# Altium PCB EEGV3.0.PcbDoc (part 2 of 2)
Units mm, origin at the board's own origin, x right, y up, seen from the top; angles counter-clockwise.
Board outline 93 x 76.97 mm, 2 copper layers (Top Layer, Bottom Layer); 182 components, 138 nets, 724 pads, 593 vias.
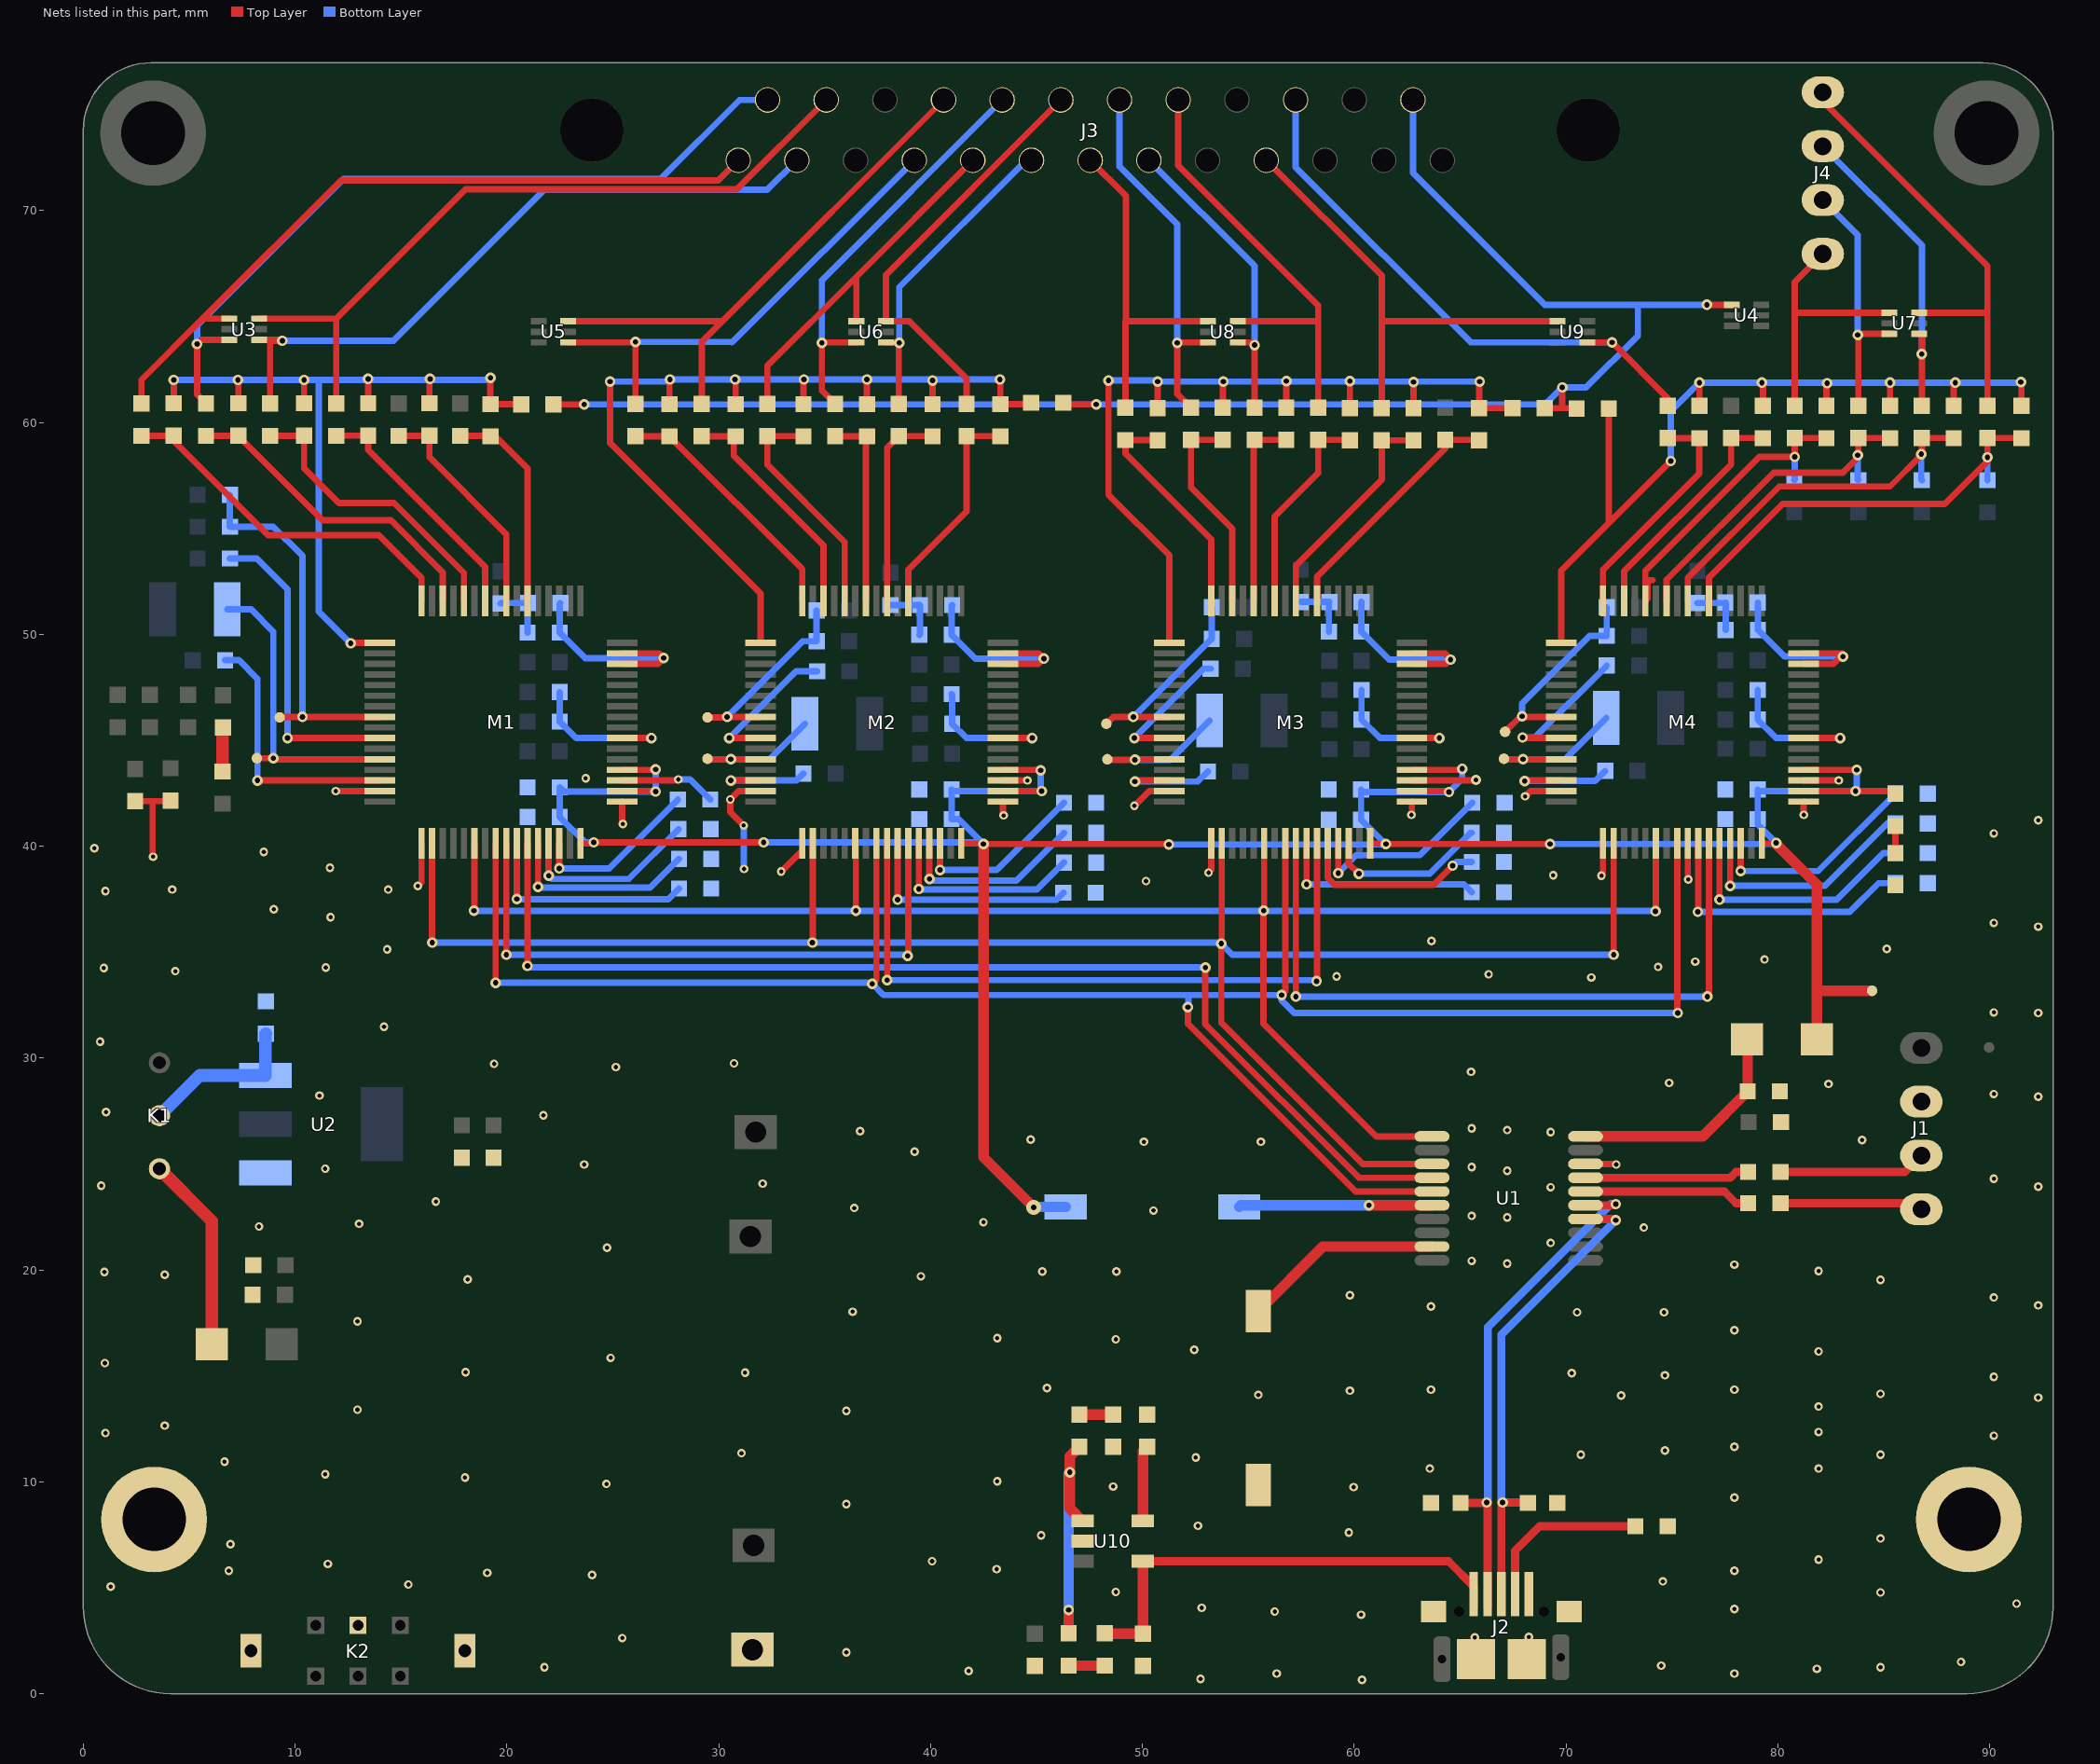
[diagram p2: the nets of this part, all layers, seen from the top]

## Via types
v1: diameter 0.406, hole 0.203, Top Layer to Bottom Layer, tented both sides, 401 vias
v2: diameter 0.5, hole 0.254, Top Layer to Bottom Layer, tented both sides, 186 vias
v3: diameter 0.7, hole 0.254, Top Layer to Bottom Layer, tented both sides, 5 vias
v4: diameter 0.5, hole 0.203, Top Layer to Bottom Layer, tented both sides, 1 vias

## Nets (pads, with @x,y where several pads share a name; then routed paths per layer and width w, separated by ;. In a path a pad name is that pad's centre, name@x,y a point inside that pad or via, vN(x,y) a via of type N, cw(c..) or ccw(c..) an arc to the next point about the centre after c; other vN are vias at no path point) (continued)
DGND: BT2.2 C2.2 C3.2 C4.2 C5.2 C21.1 C24.2 C25.1 C26.2 C27.1 C28.1 C29.2 C35.2 C36.2 C37.2 C38.2 C69.2 C70.2 C85.2 C86.2 D1.2 D2.1 D4.1 D5.2 J1.3 J2.5 J2.6 J2.7 J2.8 J2.9 K2.5 K2.7 K2.8 K4.2 M1.31 M1.33 M1.49 M1.51 M2.31 M2.33 M2.49 M2.51 M3.31 M3.33 M3.49 M3.51 M4.31 M4.33 M4.41 M4.49 M4.51 pad.0@3.35,8.225 pad.0@89.025,8.225 R16.2 R17.2 R18.2 R19.2 R20.2 R21.1 R24.2 R25.2 R28.2 R29.2 R31.2 R32.2 R34.2 R48.2 R49.2 R51.2 R52.2 R59.1 U1.18 U2.1 U10.2 | length 42.2
  Top Layer w0.3: C27.1@2.35,42.025 C27.1@2.45,42.125 3.275,42.125 ; v1(3.3,39.5) 3.275,39.525 3.275,42.125 ; C25.1@4.125,42.151 4.099,42.125 3.275,42.125 ; v1(11.925,42.6) M1.31@14,42.6 ; v1(15.8,38.125) 15.975,38.3 M1.33@15.975,40.125 ; M1.49@25.45,42.1 25.45,41.075 v1(25.475,41.05) ; M1.51@25.45,43.1 28.05,43.1 v1(28.1,43.15) ; v1(31.182,40.975) 30.55,41.607 v1(30.55,42.2) 30.95,42.6 M2.31@31.975,42.6 ; v1(32.95,38.8) 33.95,39.8 M2.33@33.95,40.125 ; M2.49@43.425,42.1 43.425,41.475 v1(43.45,41.45) ; M2.51@43.425,43.1 v1(44.575,43.1) ; v1(49.625,41.9) 50.325,42.6 M3.31@51.275,42.6 ; v1(53.125,38.75) 53.25,38.875 M3.33@53.25,40.125 ; v1(62.7,41.475) 62.725,41.5 M3.49@62.725,42.1 ; M3.51@62.725,43.1 65.675,43.1 65.7,43.075 v4(65.75,43.125) ; v1(65.7,2.65) 65.756,2.594 J2.8@65.756,1.625 J2.8@65.756,1 ; v1(68.075,42.35) 68.325,42.6 M4.31@69.775,42.6 ; J2.9@68.143,1 J2.9@68.143,1.625 68.143,2.568 v1(68.25,2.675) ; U1.18@70.925,25 72.35,25 v1(72.375,24.975) ; v1(71.675,38.6) 71.75,38.675 M4.33@71.75,40.125 ; M4.41@75.75,40.125 75.75,38.45 v1(75.775,38.425) ; v1(81.225,41.475) M4.49@81.225,42.1 ; M4.51@81.225,43.1 v1(82.875,43.1)
  Bottom Layer w0.3: v1(28.1,43.15) 28.649,43.15 R16.2@29.599,42.2 ; v1(31.182,40.975) 31.182,38.943 v1(31.2,38.925)
  other v1: 60.375,0.65 52.75,0.7 56.35,0.95 77.95,0.95 41.8,1.075 81.85,1.175 21.775,1.25 84.85,1.25 74.5,1.325 88.65,1.5 36.025,1.95 25.45,2.625 60.325,3.725 56.25,3.875 77.95,4 52.8,4.05 91.275,4.25 84.85,4.775 48.75,4.8 1.3,5.05 15.35,5.15 74.575,5.3 24.025,5.6 19.075,5.7 6.875,5.8 77.95,5.8 43.125,5.875 11.55,6.125 40.075,6.25 81.925,6.325 6.95,7.05 84.85,7.325 45.225,7.475 59.75,7.6 52.625,7.925 36.025,8.95 77.95,9.25 59.975,9.75 48.625,9.775 24.7,9.9 43.15,10.025 18.025,10.2 11.425,10.35 63.575,10.625 81.925,10.625 6.675,10.95 52.525,11.15 70.7,11.275 84.85,11.275 31.075,11.35 74.675,11.475 77.95,11.65 90.2,12.175 1.05,12.3 81.925,12.35 3.85,12.65 36.025,13.35 12.95,13.4 81.925,13.55 92.3,13.975 55.475,14.1 72.6,14.075 84.85,14.15 59.8,14.3 63.625,14.35 77.95,14.35 45.5,14.425 90.2,14.95 74.675,15.025 70.275,15.125 31.25,15.15 18.05,15.175 1.025,15.6 24.9,15.85 81.925,16.15 52.45,16.225 48.75,16.725 43.15,16.775 77.95,17.15 12.95,17.575 70.525,18 74.625,18 36.325,18.025 63.625,18.275 92.3,18.325 90.2,18.7 59.8,18.8 84.85,19.525 18.15,19.55 39.55,19.7 3.85,19.775 1,19.9 45.275,19.925 48.775,19.925 81.925,19.95 77.95,20.25 67.225,20.3 65.55,20.425 24.725,21.05 69.275,21.275 73.675,22 8.3,22.05 13.025,22.175 42.5,22.25 67.225,22.475 65.55,22.55 50.525,22.8 36.4,22.925 16.65,23.225 69.275,23.9 92.3,23.925 0.85,23.975 32.075,24.075 90.2,24.3 67.225,24.675 11.425,24.775 65.55,24.85 23.65,24.975 39.25,25.575 50.075,26.05 55.6,26.05 83.975,26.125 44.725,26.15 69.275,26.5 36.675,26.55 67.225,26.6 65.55,26.675 21.725,27.3 1.075,27.45 92.3,28.175 11.15,28.225 90.2,28.3 82.4,28.775 74.875,28.825 65.525,29.35 25.15,29.575 19.4,29.725 30.725,29.75 0.8,30.775 14.2,31.475 92.3,32.125 90.2,32.15 71.2,33.8 59.175,33.85 66.35,33.95 4.35,34.1 0.975,34.25 11.45,34.275 74.35,34.3 76.1,34.55 79.375,34.65 14.35,35.125 85.15,35.15 63.65,35.525 92.3,36.2 90.2,36.375 11.675,36.65 9,37.025 1.05,37.875 4.2,37.95 14.4,37.95 50.175,38.35 69.4,38.625 11.65,38.975 8.525,39.725 0.525,39.9 90.2,40.6 92.3,41.225 23.725,43.2
DIN: M1.34 M2.34 M3.34 M4.34 U1.3 | length 91.8
  Top Layer w0.3: v2(16.475,35.45) M1.34@16.475,40.125 ; v2(34.425,35.45) 34.45,35.475 M2.34@34.45,40.125 ; M3.34@53.75,40.125 53.75,35.425 v2(53.725,35.4) 53.725,31.675 60.4,25 U1.3@63.675,25 ; v2(72.25,34.875) M4.34@72.25,40.125
  Bottom Layer w0.3: v2(16.475,35.45) v2(34.425,35.45) 53.675,35.45 v2(53.725,35.4) 54.25,34.875 v2(72.25,34.875)
DM: D2.2 J2.2 U1.15 | length 24.4
  Top Layer w0.381: D2.2@65.023,9 66.231,9 v2(66.256,9.025) 66.3,8.98 J2.2@66.3,4.7 J2.2@66.3,4.075 ; U1.15@70.925,23.05 71.941,23.05 71.948,23.043 72.291,23.043 v2(72.35,23.102)
  Bottom Layer w0.381: v2(66.256,9.025) 66.265,9.025 66.315,9.075 66.315,17.295 72.122,23.102 v2(72.35,23.102)
DOUT_1: M1.43 U1.4 | length 54.2
  Top Layer w0.3: v2(20.975,34.35) M1.43@20.975,40.125 ; v2(52.975,34.275) 52.975,31.6 60.225,24.35 U1.4@63.675,24.35
  Bottom Layer w0.3: v2(20.975,34.35) 21.05,34.275 v2(52.975,34.275)
DOUT_2: M1.41 M2.43 | length 29.5
  Top Layer w0.3: v2(19.975,34.875) M1.41@19.975,40.125 ; v2(38.925,34.825) 38.95,34.85 M2.43@38.95,40.125
  Bottom Layer w0.3: v2(19.975,34.875) 38.875,34.875 v2(38.925,34.825)
DOUT_3: M2.41 M3.43 | length 33.3
  Top Layer w0.3: v2(37.95,33.675) M2.41@37.95,40.125 ; v2(58.225,33.625) 58.25,33.65 M3.43@58.25,40.125
  Bottom Layer w0.3: v2(37.95,33.675) 58.175,33.675 v2(58.225,33.625)
DOUT_4: M3.41 M4.43 | length 33.9
  Top Layer w0.3: v2(57.25,32.9) M3.41@57.25,40.125 ; v2(76.675,32.9) 76.75,32.975 M4.43@76.75,40.125
  Bottom Layer w0.3: v2(57.25,32.9) v2(76.675,32.9)
DP: D4.2 J2.3 U1.14 | length 23.2
  Top Layer w0.381: J2.3@66.95,4.075 J2.3@66.95,4.7 66.95,8.966 v2(67.01,9.025) 68.175,9.025 D4.2@68.2,9 ; U1.14@70.925,22.4 71.941,22.4 71.948,22.408 72.291,22.408 v2(72.35,22.348)
  Bottom Layer w0.381: v2(67.01,9.025) 67,9.025 66.95,9.075 66.95,16.948 v2(72.35,22.348)
DVCC: C2.1 C3.1 C35.1 C36.1 C37.1 C38.1 C69.1 C70.1 D10.2 K3.1 M1.48 M1.50 M1.52 M2.48 M2.50 M2.52 M3.48 M3.50 M3.52 M4.48 M4.50 M4.52 pad.3.3V R23.1 | length 144.1
  Top Layer w0.3: M1.48@23.475,40.125 24.05,40.125 v2(24.1,40.175) v2(32.125,40.175) ; M1.50@25.45,42.6 27,42.6 v2(27.025,42.575) ; M1.52@25.45,43.6 27,43.6 v2(27.025,43.625) ; M2.48@41.45,40.125 42.475,40.125 v2(42.5,40.1) 51.225,40.1 v2(51.25,40.075) ; M2.50@43.425,42.6 v2(45.25,42.6) ; M2.52@43.425,43.6 45.175,43.6 v2(45.2,43.575) ; M3.48@60.75,40.125 61.475,40.125 v2(61.5,40.1) v2(69.25,40.1) ; M3.50@62.725,42.6 64.43,42.6 v2(64.478,42.552) ; M3.52@62.725,43.6 65.05,43.6 v2(65.1,43.65) ; M4.48@79.25,40.125 v2@79.9,40.125 ; M4.50@81.225,42.6 v2(83.675,42.6) 85.426,42.6 R23.1@85.551,42.475 ; M4.52@81.225,43.6 v2(83.725,43.6)
  Top Layer w0.5: v2(42.5,40.1) 42.5,25.325 v3(44.875,22.95) ; v2@79.9,40.125 81.852,38.173 81.852,33.175 ; D10.2@81.852,30.875 81.852,33.175 ; pad.3.3V@84.45,33.175 81.852,33.175
  Bottom Layer w0.3: v2(24.1,40.175) 23.7,40.175 C2.1@22.5,41.375 C3.1@22.5,42.775 22.7,42.575 v2(27.025,42.575) v2(27.025,43.625) ; v2(32.125,40.175) v2@42.425,40.175 ; v2(42.5,40.1) v2@42.425,40.175 ; v2(45.2,43.575) 45.2,42.625 v2@45.225,42.6 ; v2(45.25,42.6) v2@45.225,42.6 ; v2(51.25,40.075) 61.475,40.075 v2(61.5,40.1) 61.475,40.1 C35.1@60.325,41.25 C37.1@60.325,42.675 60.448,42.552 v2(64.478,42.552) 65.1,43.174 v2(65.1,43.65) ; v2(69.25,40.1) 79.875,40.1 v2(79.925,40.15) 79.049,41.026 C36.1@79.049,41.275 C38.1@79.049,42.675 79.124,42.6 v2(83.675,42.6) 83.725,42.65 v2(83.725,43.6) ; v2@42.425,40.175 41.325,41.275 C70.1@41,41.275 C69.1@41,42.675 41.1,42.575 41.125,42.6 v2@45.225,42.6
  Bottom Layer w0.5: v3(44.875,22.95) 44.9,22.975 K3.1@46.375,22.975
ELEC1: J4.1 R39.1 U7.1 | length 12.2
  Top Layer w0.3: R39.1@80.8,60.788 80.8,65.175 ; J4.1@82.125,67.955 80.8,66.63 80.8,65.175 ; U7.1@85.275,65.175 80.8,65.175
ELEC2: J4.2 R37.1 U7.3 | length 11.9
  Top Layer w0.3: R37.1@83.8,60.788 83.8,64.1 v2(83.775,64.125) 83.825,64.175 U7.3@85.275,64.175
  Bottom Layer w0.3: J4.2@82.125,70.495 83.775,68.845 v2(83.775,64.125)
ELEC3: J4.3 R35.1 U7.4 | length 15.2
  Top Layer w0.3: U7.4@86.675,64.175 86.8,64.05 v2(86.8,63.225) R35.1@86.8,60.788
  Bottom Layer w0.3: J4.3@82.125,73.035 86.8,68.36 v2(86.8,63.225)
ELEC4: J4.4 R30.1 U7.6 | length 21.3
  Top Layer w0.3: J4.4@82.125,75.575 82.125,75.15 89.9,67.375 89.9,65.225 ; U7.6@86.675,65.175 89.85,65.175 89.9,65.225 ; R30.1@89.9,60.788 89.9,65.225
F3: J3.2 R8.1 U3.4 | length 32.5
  Top Layer w0.3: U3.4@8.3,63.9 9.35,63.9 v2(9.4,63.85) 8.8,63.85 8.825,63.825 R8.1@8.825,60.887
  Bottom Layer w0.3: v2(9.4,63.85) 14.65,63.85 21.775,70.975 32.29,70.975 J3.2@33.69,72.375
F4: J3.15 R6.1 U3.6 | length 35.1
  Top Layer w0.3: U3.6@8.3,64.9 11.95,64.9 ; R6.1@11.95,60.887 11.95,64.9 ; J3.15@35.075,75.215 30.86,71 18.05,71 11.95,64.9
F7: J3.6 R53.1 U6.4 | length 14.8
  Top Layer w0.3: U6.4@37.9,63.775 38.475,63.775 38.5,63.75 R53.1@38.5,60.875
  Bottom Layer w0.3: v2(38.525,63.75) 38.525,66.375 44.525,72.375 J3.6@44.77,72.375
F8: J3.19 R50.1 U6.6 | length 20
  Top Layer w0.3: R50.1@41.7,60.875 41.7,62.075 39,64.775 U6.6@37.9,64.775 37.9,66.96 J3.19@46.155,75.215
FP1: J3.1 R10.1 U3.1 | length 34.8
  Top Layer w0.3: R10.1@2.75,60.887 2.75,62 5.65,64.9 ; U3.1@6.9,64.9 5.65,64.9 ; J3.1@30.92,72.375 29.97,71.425 12.175,71.425 5.65,64.9
FP2: J3.14 R9.1 U3.3 | length 36.8
  Top Layer w0.3: R9.1@5.8,60.887 5.375,61.312 v2(5.375,63.7) 5.575,63.9 U3.3@6.9,63.9
  Bottom Layer w0.3: v2(5.375,63.7) 5.375,64.575 12.3,71.5 27.275,71.5 30.99,75.215 J3.14@32.305,75.215
FZ: J3.10 R33.1 U9.1 | length 22.3
  Top Layer w0.3: J3.10@55.85,72.375 61.3,66.925 61.3,64.775 ; R33.1@61.3,60.675 61.3,64.775 ; U9.1@69.6,64.775 61.3,64.775
NetC4_1: C4.1 D10.1 U1.20 | length 11
  Top Layer w0.5: U1.20@70.925,26.3 76.451,26.3 C4.1@78.576,28.425 78.576,30.849 D10.1@78.55,30.875
NetC6_1: C6.1 M1.16 R10.2 | length 17.2
  Top Layer w0.3: R10.2@2.75,59.363 4.262,59.363 C6.1@4.275,59.376 4.275,59.125 8.725,54.675 13.95,54.675 15.975,52.65 M1.16@15.975,51.575
NetC6_2: C6.2 C7.2 C10.2 C11.2 C12.2 C13.2 M1.17 R11.2 | length 37.7
  Top Layer w0.3: C6.2@4.275,60.9 v2(4.275,62) ; v2(7.3,62) 7.325,61.975 C7.2@7.325,60.9 ; C11.2@10.425,60.9 v2(10.425,62) ; v2(12.625,49.575) 12.65,49.6 M1.17@14,49.6 ; C12.2@13.45,60.9 v2(13.45,62.05) ; C13.2@16.35,60.9 16.35,62.025 v2(16.375,62.05) ; v2(19.225,62.1) C10.2@19.225,60.862 20.663,60.862 R11.2@20.675,60.85
  Bottom Layer w0.3: v2(4.275,62) 11.125,62 ; v2(12.625,49.575) 11.125,51.075 11.125,62 ; v2(19.225,62.1) 19.125,62 11.125,62
NetC7_1: C7.1 M1.14 R9.2 | length 15.2
  Top Layer w0.3: R9.2@5.8,59.363 7.312,59.363 11.3,55.375 14.525,55.375 16.975,52.925 M1.14@16.975,51.575 ; C7.1@7.312,59.363 C7.1@7.325,59.376
NetC8_1: C8.1 M4.62 M4.63 R1.2 | length 9.7
  Top Layer w0.3: M4.62@81.225,48.6 82.625,48.6 83.075,49.05 83.025,49.1 M4.63@81.225,49.1
  Bottom Layer w0.3: C8.1@79.049,51.5 79.062,51.487 R1.2@79.062,50.2 80.312,48.95 v2(83.075,48.95)
NetC8_2: C8.2 R1.1 R12.2 | length 2.6
  Bottom Layer w0.3: R12.2@76.2,51.476 77.526,51.476 77.538,51.487 R1.1@77.538,50.2
NetC9_1: C9.1 M3.62 M3.63 R2.2 | length 10
  Top Layer w0.3: M3.62@62.725,48.6 64.35,48.6 64.562,48.812 64.275,49.1 M3.63@62.725,49.1
  Bottom Layer w0.3: C9.1@60.349,51.525 60.336,51.512 R2.2@60.336,50.125 61.661,48.8 v2(64.55,48.8)
NetC9_2: C9.2 R2.1 R13.2 | length 2.8
  Bottom Layer w0.3: R13.2@57.475,51.526 57.476,51.525 C9.2@58.825,51.525 58.812,51.512 R2.1@58.812,50.125
NetC10_1: C10.1 M1.6 R3.2 | length 10.1
  Top Layer w0.3: R3.2@17.8,59.363 19.2,59.363 C10.1@19.225,59.338 19.462,59.338 20.975,57.825 M1.6@20.975,51.575
NetC11_1: C11.1 M1.12 R8.2 | length 14.1
  Top Layer w0.3: R8.2@8.825,59.363 10.412,59.363 C11.1@10.425,59.376 10.425,57.85 12.075,56.2 14.675,56.2 17.975,52.9 M1.12@17.975,51.575
NetC12_1: C12.1 M1.10 R6.2 | length 11.6
  Top Layer w0.3: R6.2@11.95,59.363 11.963,59.376 C12.1@13.45,59.376 13.45,58.7 18.975,53.175 M1.10@18.975,51.575
NetC13_1: C13.1 M1.8 R4.2 | length 10.8
  Top Layer w0.3: R4.2@14.9,59.363 16.337,59.363 C13.1@16.35,59.376 16.35,58.35 19.975,54.725 M1.8@19.975,51.575
NetC14_1: C14.1 M1.26 | length 14.7
  Top Layer w0.3: v2(9.65,45.1) M1.26@14,45.1
  Bottom Layer w0.3: C14.1@6.924,53.575 8.2,53.575 9.65,52.125 v2(9.65,45.1)
NetC15_1: C15.1 M1.28 pad.>1.1V@8.2,44.15 | length 14.4
  Top Layer w0.3: pad.>1.1V@8.2,44.15 v2(8.975,44.15) 9.025,44.1 M1.28@14,44.1
  Bottom Layer w0.3: C15.1@6.8,51.175 7.925,51.175 8.975,50.125 v2(8.975,44.15)
NetC16_1: C16.1 M1.30 | length 12.5
  Top Layer w0.3: v2(8.225,43.1) M1.30@14,43.1
  Bottom Layer w0.3: C16.1@6.7,48.775 7.35,48.775 8.225,47.9 v2(8.225,43.1)
NetC17_1: C17.1 C18.2 M1.55 | length 7.4
  Top Layer w0.3: M1.55@25.45,45.1 v2(26.825,45.1)
  Bottom Layer w0.3: C17.1@22.5,47.275 C18.2@22.5,45.875 23.275,45.1 v2(26.825,45.1)
NetC20_1: C20.1 M1.62 M1.63 R15.2 | length 10.9
  Top Layer w0.3: M1.62@25.45,48.6 27.15,48.6 27.413,48.863 27.175,49.1 M1.63@25.45,49.1
  Bottom Layer w0.3: R15.2@22.524,51.475 22.5,51.451 C20.1@22.5,50.075 23.7,48.875 v2(27.4,48.875)
NetC20_2: C20.2 R14.2 R15.1 | length 2.7
  Bottom Layer w0.3: R14.2@19.7,51.451 19.724,51.475 R15.1@21,51.475 20.976,51.451 C20.2@20.976,50.075
NetC39_1: C39.1 M3.6 R27.2 | length 11.7
  Top Layer w0.3: M3.6@58.25,51.575 58.25,52.725 64.3,58.775 R27.2@64.3,59.175 65.876,59.175 C39.1@65.9,59.151
NetC39_2: C39.2 C41.2 C43.2 C45.2 C47.2 C49.2 M3.17 R44.2 | length 40.2
  Top Layer w0.3: v2(48.4,61.975) 48.4,56.6 51.275,53.725 M3.17@51.275,49.6 ; C49.2@50.725,60.675 v2(50.725,61.925) ; C47.2@53.8,60.699 53.8,61.9 v2(53.825,61.925) ; C45.2@56.8,60.699 v2(56.8,61.95) ; C43.2@59.8,60.675 v2(59.8,61.95) ; C41.2@62.8,60.675 v2(62.8,61.9) ; v2(65.925,61.925) 65.9,61.9 C39.2@65.9,60.675 R44.2@67.476,60.675
  Bottom Layer w0.3: v2(48.4,61.975) 50.675,61.975 v2(50.725,61.925) v2(53.825,61.925) v2(65.925,61.925)
NetC40_1: C40.1 M4.6 R30.2 R65.1 | length 20.3
  Top Layer w0.3: M4.6@76.75,51.575 76.75,52.675 80.225,56.15 87.875,56.15 89.9,58.175 v2(89.9,58.35) R30.2@89.9,59.264 91.487,59.264 C40.1@91.5,59.251
  Bottom Layer w0.3: R65.1@89.9,57.275 v2(89.9,58.35)
NetC40_2: C40.2 C42.2 C44.2 C46.2 C48.2 C50.2 M4.17 R45.2 | length 42.2
  Top Layer w0.3: M4.17@69.775,49.6 69.775,53 72.025,55.25 ; R45.2@72.024,60.65 72.024,55.251 72.025,55.25 ; v2(74.95,58.175) 72.025,55.25 ; C50.2@76.3,60.775 v2(76.3,61.875) ; v2(79.25,61.875) 79.3,61.825 C48.2@79.3,60.775 ; C46.2@82.3,60.775 82.3,61.825 v2(82.325,61.85) ; C44.2@85.3,60.775 v2(85.3,61.875) ; C42.2@88.3,60.775 88.3,61.8 v2(88.375,61.875) ; v2(91.475,61.9) 91.5,61.875 C40.2@91.5,60.775
  Bottom Layer w0.3: v2(74.95,58.175) 74.95,60.525 v2(76.3,61.875) 91.45,61.875 v2(91.475,61.9)
NetC41_1: C41.1 M3.8 R33.2 | length 10.8
  Top Layer w0.3: M3.8@57.25,51.575 57.25,53.25 61.3,57.3 R33.2@61.3,59.151 C41.1@62.8,59.151
NetC42_1: C42.1 M4.8 R35.2 R64.1 | length 18.1
  Top Layer w0.3: M4.8@75.75,51.575 75.75,52.65 80.075,56.975 85.3,56.975 86.8,58.475 v2@86.8,58.525 ; v2(86.775,58.5) v2@86.8,58.525 ; C42.1@88.3,59.251 88.287,59.264 R35.2@86.8,59.264 v2@86.8,58.525
  Bottom Layer w0.3: v2(86.775,58.5) 86.775,57.3 R64.1@86.8,57.275
NetC43_1: C43.1 M3.10 R36.2 | length 10
  Top Layer w0.3: M3.10@56.25,51.575 56.25,55.55 58.3,57.6 R36.2@58.3,59.175 59.776,59.175 C43.1@59.8,59.151
NetC44_1: C44.1 M4.10 R37.2 R63.1 | length 16.1
  Top Layer w0.3: M4.10@74.75,51.575 74.75,52.575 79.8,57.625 83.075,57.625 83.8,58.35 v2@83.8,58.475 ; v2(83.775,58.45) v2@83.8,58.475 ; C44.1@85.3,59.251 85.287,59.264 R37.2@83.8,59.264 v2@83.8,58.475
  Bottom Layer w0.3: v2(83.775,58.45) 83.775,57.3 R63.1@83.8,57.275
NetC45_1: C45.1 M3.12 R38.2 | length 9.1
  Top Layer w0.3: M3.12@55.25,51.575 55.25,59.125 R38.2@55.3,59.175 C45.1@56.8,59.175
NetC46_1: C46.1 M4.12 R39.2 R62.1 | length 15.5
  Top Layer w0.3: 74.086,52.55 73.85,52.55 73.85,51.675 M4.12@73.75,51.575 73.75,53 79.125,58.375 v2(80.8,58.375) R39.2@80.8,59.264 82.287,59.264 C46.1@82.3,59.251
  Bottom Layer w0.3: R62.1@80.775,57.275 80.8,57.3 v2(80.8,58.375)
NetC47_1: C47.1 M3.14 R40.2 | length 9.9
  Top Layer w0.3: C47.1@53.8,59.175 R40.2@52.3,59.175 52.3,56.925 54.25,54.975 M3.14@54.25,51.575
NetC48_1: C48.1 M4.14 R41.2 | length 11.3
  Top Layer w0.3: M4.14@72.75,51.575 72.75,52.975 77.8,58.025 R41.2@77.8,59.264 79.287,59.264 C48.1@79.3,59.251
NetC49_1: C49.1 M3.16 R42.2 | length 10.8
  Top Layer w0.3: C49.1@50.725,59.151 50.712,59.164 R42.2@49.2,59.164 49.2,58.525 53.25,54.475 M3.16@53.25,51.575
NetC50_1: C50.1 M4.16 R43.2 | length 11.1
  Top Layer w0.3: M4.16@71.75,51.575 71.75,53.05 76.287,57.587 C50.1@76.287,59.251 ; R43.2@74.8,59.264 74.813,59.251 C50.1@76.287,59.251 ; C50.1@76.3,59.251 C50.1@76.287,59.251
NetC51_1: C51.1 M3.26 | length 6.6
  Top Layer w0.3: v2(49.625,45.1) M3.26@51.275,45.1
  Bottom Layer w0.3: v2(49.625,45.1) 52.9,48.375 C51.1@53.226,48.375
NetC52_1: C52.1 M3.28 pad.>1.1V@48.35,44.1 | length 7.3
  Top Layer w0.3: pad.>1.1V@48.35,44.1 48.375,44.075 v2(49.65,44.075) 49.625,44.1 M3.28@51.275,44.1
  Bottom Layer w0.3: v2(49.65,44.075) 51.325,44.075 C52.1@53.175,45.925
NetC53_1: C53.1 M3.30 | length 5.3
  Top Layer w0.3: v2(49.65,43.05) 49.7,43.1 M3.30@51.275,43.1
  Bottom Layer w0.3: v2(49.65,43.05) 52.626,43.05 C53.1@53.101,43.525
NetC54_1: C54.1 C55.2 M3.55 | length 6.7
  Top Layer w0.3: M3.55@62.725,45.1 v2(64.025,45.1)
  Bottom Layer w0.3: C55.2@60.349,47.375 C54.1@60.349,45.975 61.224,45.1 v2(64.025,45.1)
NetC56_1: C56.1 M4.26 | length 7.2
  Top Layer w0.3: v2(67.95,45.125) 67.975,45.1 M4.26@69.775,45.1
  Bottom Layer w0.3: v2(67.95,45.125) 68.526,45.125 C56.1@71.926,48.525
NetC57_1: C57.1 M4.28 pad.>1.1V@67.075,44.125 | length 7.4
  Top Layer w0.3: pad.>1.1V@67.075,44.125 67.1,44.1 v2(67.975,44.1) M4.28@69.775,44.1
  Bottom Layer w0.3: v2(67.975,44.1) 69.952,44.1 C57.1@71.902,46.05
NetC58_1: C58.1 M4.30 | length 5.7
  Top Layer w0.3: v2(68.05,43.075) 68.075,43.1 M4.30@69.775,43.1
  Bottom Layer w0.3: v2(68.05,43.075) 71.376,43.075 C58.1@71.851,43.55
NetC59_1: C59.1 C60.2 M4.55 | length 7.4
  Top Layer w0.3: M4.55@81.225,45.1 v2(82.95,45.1)
  Bottom Layer w0.3: C60.2@79.049,47.375 C59.1@79.049,45.975 79.924,45.1 v2(82.95,45.1)
NetC67_1: C67.1 M2.62 M2.63 R46.2 | length 10.3
  Top Layer w0.3: M2.62@43.425,48.6 45.1,48.6 v2(45.35,48.85) 45.1,49.1 M2.63@43.425,49.1
  Bottom Layer w0.3: R46.2@41.024,51.375 41,51.351 C67.1@41,49.975 42.125,48.85 v2(45.35,48.85)
NetC67_2: C67.2 R46.1 R47.2 | length 2.8
  Bottom Layer w0.3: R47.2@38.1,51.375 R46.1@39.5,51.375 39.5,49.999 C67.2@39.476,49.975
NetC71_1: C71.1 M2.6 R50.2 | length 10.5
  Top Layer w0.3: M2.6@38.95,51.575 38.95,53.05 41.7,55.8 R50.2@41.7,59.351 43.287,59.351 C71.1@43.3,59.338
NetC71_2: C71.2 C72.2 C73.2 C74.2 C75.2 C76.2 M2.17 R58.2 | length 42.2
  Top Layer w0.3: v2(24.875,61.925) 24.875,59.025 31.975,51.925 M2.17@31.975,49.6 ; C76.2@27.675,60.862 27.675,62 v2(27.7,62.025) ; v2(30.775,62.025) 30.8,62 C75.2@30.8,60.862 ; C74.2@34,60.862 34,62 v2(34.025,62.025) ; C73.2@37,60.862 v2(37,62.025) ; C72.2@40.1,60.862 v2(40.1,61.975) ; v2(43.275,62.025) 43.3,62.025 C71.2@43.3,60.862 44.688,60.862 R58.2@44.751,60.925
  Bottom Layer w0.3: v2(24.875,61.925) 27.6,61.925 v2(27.7,62.025) v2(30.775,62.025) v2(34.025,62.025) v2(37,62.025) v2(43.275,62.025)
NetC72_1: C72.1 M2.8 R53.2 | length 9.6
  Top Layer w0.3: M2.8@37.95,51.575 37.95,58.801 R53.2@38.5,59.351 40.087,59.351 C72.1@40.1,59.338
NetC73_1: C73.1 M2.10 R54.2 | length 9.3
  Top Layer w0.3: R54.2@35.5,59.351 35.513,59.338 C73.1@37,59.338 36.95,59.288 M2.10@36.95,51.575
NetC74_1: C74.1 M2.12 R55.2 | length 11
  Top Layer w0.3: C74.1@34,59.338 33.987,59.351 R55.2@32.3,59.351 32.3,58 35.95,54.35 M2.12@35.95,51.575
NetC75_1: C75.1 M2.14 R56.2 | length 11.2
  Top Layer w0.3: R56.2@29.2,59.351 29.213,59.338 C75.1@30.8,59.338 30.713,59.251 30.713,58.437 34.95,54.2 M2.14@34.95,51.575
NetC76_1: C76.1 M2.16 R57.2 | length 12
  Top Layer w0.3: R57.2@26.075,59.351 26.088,59.338 C76.1@27.675,59.338 33.95,53.063 M2.16@33.95,51.575
NetC77_1: C77.1 M2.26 | length 6.9
  Top Layer w0.3: v2(30.5,45.1) M2.26@31.975,45.1
  Bottom Layer w0.3: v2(30.5,45.1) 33.65,48.25 C77.1@34.65,48.25
NetC78_1: C78.1 M2.28 pad.>1.1V@29.475,44.125 | length 6.7
  Top Layer w0.3: pad.>1.1V@29.475,44.125 29.5,44.1 v2(30.575,44.1) M2.28@31.975,44.1
  Bottom Layer w0.3: v2(30.575,44.1) 32.402,44.1 C78.1@34.077,45.775
NetC79_1: C79.1 M2.30 | length 5
  Top Layer w0.3: v2(30.575,43.1) 30.7,43.1 M2.30@31.975,43.1
  Bottom Layer w0.3: v2(30.575,43.1) 33.675,43.1 C79.1@34,43.425
NetC80_1: C80.1 C81.2 M2.55 | length 6.8
  Top Layer w0.3: M2.55@43.425,45.1 v2(44.8,45.1)
  Bottom Layer w0.3: C80.1@41,47.175 41.024,47.151 C81.2@41.024,45.775 41.699,45.1 v2(44.8,45.1)
NetD1_1: D1.1 R23.2 | length 1.3
  Top Layer w0.3: D1.1@85.551,39.675 R23.2@85.551,40.951
NetD3_2: D3.2 R60.1 | length 1.7
  Top Layer w0.5: R60.1@46.525,1.323 46.528,1.326 D3.2@48.225,1.326
NetD5_1: D5.1 R61.1 | length 1.6
  Top Layer w0.5: R61.1@47.025,13.174 D5.1@48.625,13.174
NetD6_2: D6.2 K1.3 | length 9.3
  Top Layer w0.6: K1.3@3.6,24.775 6.073,22.302 D6.2@6.073,16.5
NetJ1_1: J1.1 R5.1 | length 6.8
  Top Layer w0.381: R5.1@80.124,23.15 86.485,23.15 J1.1@86.775,22.86
NetJ1_2: J1.2 R7.1 | length 7
  Top Layer w0.381: R7.1@80.124,24.625 86,24.625 J1.2@86.775,25.4
NetJ2_4: J2.4 R21.2 | length 8.8
  Top Layer w0.381: J2.4@67.6,4.075 J2.4@67.6,4.7 67.6,6.75 68.75,7.9 R21.2@73.275,7.9
NetL1_2: L1.2 R26.2 | length 2.1
  Top Layer w0.6: L1.2@6.575,43.525 6.575,45.572 R26.2@6.604,45.601
NetM1_42: M1.42 R19.1 | length 10.5
  Top Layer w0.3: v2(20.475,37.5) M1.42@20.475,40.125
  Bottom Layer w0.3: v2(20.475,37.5) 27.625,37.5 R19.1@28.125,38
NetM1_44: M1.44 R18.1 | length 9.3
  Top Layer w0.3: v2(21.475,38.075) M1.44@21.475,40.125
  Bottom Layer w0.3: v2(21.475,38.075) 21.5,38.05 26.775,38.05 R18.1@28.125,39.4
NetM1_45: M1.45 R17.1 | length 8.7
  Top Layer w0.3: v2(21.975,38.6) M1.45@21.975,40.125
  Bottom Layer w0.3: v2(21.975,38.6) 22.125,38.45 25.75,38.45 R17.1@28.1,40.8
NetM1_46: M1.46 R16.1 | length 8.1
  Top Layer w0.3: v2(22.475,38.95) M1.46@22.475,40.125
  Bottom Layer w0.3: v2(22.475,38.95) 24.825,38.95 R16.1@28.075,42.2
NetM2_42: M2.42 R52.1 | length 10.6
  Top Layer w0.3: v2(38.45,37.475) M2.42@38.45,40.125
  Bottom Layer w0.3: v2(38.45,37.475) 45.95,37.475 R52.1@46.275,37.8
NetM2_44: M2.44 R51.1 | length 9.5
  Top Layer w0.3: v2(39.45,37.975) M2.44@39.45,40.125
  Bottom Layer w0.3: v2(39.45,37.975) 39.475,37.95 45.025,37.95 R51.1@46.3,39.225
NetM2_45: M2.45 R49.1 | length 9
  Top Layer w0.3: v2(39.95,38.45) M2.45@39.95,40.125
  Bottom Layer w0.3: v2(39.95,38.45) 40.025,38.375 44.05,38.375 R49.1@46.3,40.625
NetM2_46: M2.46 R48.1 | length 8.4
  Top Layer w0.3: v2(40.45,38.875) M2.46@40.45,40.125
  Bottom Layer w0.3: v2(40.45,38.875) 43.125,38.875 R48.1@46.3,42.05
NetM3_42: M3.42 R32.1 | length 9.9
  Top Layer w0.3: v2(57.75,38.2) M3.42@57.75,40.125
  Bottom Layer w0.3: v2(57.75,38.2) 65.175,38.2 R32.1@65.55,37.825
NetM3_44: M3.44 R29.1 | length 9
  Top Layer w0.3: M3.44@58.75,40.125 58.75,38.5 59.075,38.175 63.75,38.175 v2(64.65,39.075)
  Bottom Layer w0.3: v2(64.65,39.075) 64.825,39.25 R29.1@65.55,39.25
NetM3_45: M3.45 R25.1 | length 9.1
  Top Layer w0.3: v2(59.25,38.725) M3.45@59.25,40.125
  Bottom Layer w0.3: v2(59.25,38.725) 60.1,39.575 63.101,39.575 R25.1@65.576,42.05
NetM3_46: M3.46 R20.1 | length 7.7
  Top Layer w0.3: M3.46@59.75,40.125 59.75,39.175 v2(60.225,38.7)
  Bottom Layer w0.3: v2(60.225,38.7) 63.568,38.7 65.493,40.625 R20.1@65.551,40.625
NetM4_42: M4.42 R34.1 | length 13.1
  Top Layer w0.3: v2(76.225,36.9) 76.25,36.925 M4.42@76.25,40.125
  Bottom Layer w0.3: v2(76.225,36.9) 83.4,36.9 84.75,38.25 R34.1@85.551,38.25
NetM4_44: M4.44 R31.1 | length 11.9
  Top Layer w0.3: v2(77.25,37.475) M4.44@77.25,40.125
  Bottom Layer w0.3: v2(77.25,37.475) 82.775,37.475 84.975,39.675 R31.1@85.551,39.675
NetM4_45: M4.45 R28.1 | length 11
  Top Layer w0.3: v2(77.75,38.125) M4.45@77.75,40.125
  Bottom Layer w0.3: v2(77.75,38.125) 82.225,38.125 85.175,41.075 R28.1@85.551,41.075
NetM4_46: M4.46 R24.1 | length 10.1
  Top Layer w0.3: v2(78.25,38.825) M4.46@78.25,40.125
  Bottom Layer w0.3: v2(78.25,38.825) 81.901,38.825 R24.1@85.551,42.475
NetR59_2: R59.2 U10.5 | length 3.6
  Top Layer w0.5: U10.5@50.025,8.15 50.025,11.45 R59.2@50.225,11.65
NetR60_2: R60.2 R61.2 U10.1 | length 11.6
  Top Layer w0.5: R60.2@46.525,2.847 v2(46.525,3.95) ; R61.2@47.025,11.65 46.575,11.2 v2(46.575,10.45) 46.575,8.75 U10.1@47.175,8.15
  Bottom Layer w0.5: v2(46.525,3.95) 46.525,10.4 v2(46.575,10.45)
O1: J3.5 R55.1 U6.1 | length 17.6
  Top Layer w0.3: R55.1@32.3,60.875 32.3,62.675 36.5,66.875 ; U6.1@36.5,64.775 36.5,66.875 ; J3.5@42,72.375 36.5,66.875
O2: J3.18 R54.1 U6.3 | length 19.8
  Top Layer w0.3: R54.1@35.5,60.875 34.875,61.5 v2(34.875,63.75) 34.9,63.775 U6.3@36.5,63.775
  Bottom Layer w0.3: v2(34.875,63.75) 34.875,66.705 J3.18@43.385,75.215
P3: J3.4 R57.1 U5.4 | length 22.8
  Top Layer w0.3: U5.4@22.9,63.775 26.05,63.775 v2(26.075,63.8) R57.1@26.075,60.875
  Bottom Layer w0.3: v2(26.075,63.8) 30.605,63.8 30.63,63.775 J3.4@39.23,72.375
P4: J3.17 R56.1 U5.6 | length 26.3
  Top Layer w0.3: U5.6@22.9,64.775 30.175,64.775 ; R56.1@29.2,60.875 29.2,63.8 30.175,64.775 ; J3.17@40.615,75.215 30.175,64.775
PZ: J3.23 R43.1 U9.4 | length 26.8
  Top Layer w0.3: U9.4@71,63.775 v2(72.175,63.775) 74.8,61.15 R43.1@74.8,60.788
  Bottom Layer w0.3: J3.23@57.235,75.215 57.235,72.04 65.5,63.775 v2(72.175,63.775)
REF: J3.25 R11.1 R44.1 R45.1 R58.1 U4.4 | length 79.1
  Top Layer w0.3: R11.1@22.199,60.85 v2(23.65,60.85) ; R58.1@46.275,60.925 46.35,60.85 v2(47.825,60.85) ; R44.1@69,60.675 69.825,60.675 ; v2(69.825,61.65) 69.825,60.675 ; R45.1@70.5,60.65 70.475,60.675 69.825,60.675 ; v2(76.65,65.55) U4.4@77.825,65.55
  Bottom Layer w0.3: v2(23.65,60.85) v2(47.825,60.85) 69.025,60.85 v2(69.825,61.65) 70.95,61.65 73.4,64.1 73.4,65.55 ; J3.25@62.775,75.215 62.775,71.775 69,65.55 73.4,65.55 ; v2(76.65,65.55) 73.4,65.55
RST: K3.2 U1.6 | length 9.1
  Top Layer w0.5: v2(60.7,23.05) U1.6@63.675,23.05
  Bottom Layer w0.5: K3.2@54.575,22.975 54.65,23.05 v2(60.7,23.05)
RXD: R7.2 U1.17 | length 7.8
  Top Layer w0.381: U1.17@70.925,24.35 77.753,24.35 78.029,24.625 R7.2@78.6,24.625
SCLK: M1.40 M2.40 M3.40 M4.40 U1.5 | length 101.3
  Top Layer w0.3: v2(19.475,33.55) M1.40@19.475,40.125 ; v2(37.25,33.5) 37.45,33.7 M2.40@37.45,40.125 ; v2(52.15,32.4) 52.15,31.625 60.075,23.7 U1.5@63.675,23.7 ; v2(56.575,32.975) 56.75,33.15 M3.40@56.75,40.125 ; M4.40@75.25,40.125 75.25,32.15 v2(75.275,32.125)
  Bottom Layer w0.3: v2(19.475,33.55) 37.3,33.55 v2(37.25,33.5) 37.775,32.975 52.175,32.975 ; v2(52.15,32.4) 52.175,32.425 52.175,32.975 ; v2(75.275,32.125) 57.175,32.125 56.575,32.725 v2(56.575,32.975) 52.175,32.975
START: M1.38 M2.38 M3.38 M4.38 U1.1 | length 84.2
  Top Layer w0.3: v2(18.45,36.95) 18.475,36.975 M1.38@18.475,40.125 ; M2.38@36.45,40.125 36.475,40.1 v2(36.475,36.95) v2@36.475,36.825 ; M3.38@55.75,40.125 55.753,40.122 55.753,36.978 v2(55.725,36.95) 55.725,31.625 61.05,26.3 U1.1@63.675,26.3 ; v2(74.225,36.925) 74.25,36.95 M4.38@74.25,40.125
  Bottom Layer w0.3: v2(18.45,36.95) v2(36.475,36.95) v2(55.725,36.95) 74.2,36.95 v2(74.225,36.925)
T3: J3.7 R42.1 U8.1 | length 16.3
  Top Layer w0.3: J3.7@47.54,72.375 49.225,70.69 49.225,64.775 U8.1@53.1,64.775 ; R42.1@49.2,60.688 49.2,64.8
T4: J3.20 R40.1 U8.3 | length 17.4
  Top Layer w0.3: R40.1@52.3,60.699 51.65,61.349 v2(51.65,63.75) 51.675,63.775 U8.3@53.1,63.775
  Bottom Layer w0.3: J3.20@48.925,75.215 48.925,72.075 51.65,69.35 v2(51.65,63.75)
T5: J3.8 R38.1 U8.4 | length 14.6
  Top Layer w0.3: U8.4@54.5,63.775 55.175,63.775 v2(55.3,63.65) R38.1@55.3,60.699
  Bottom Layer w0.3: J3.8@50.31,72.375 55.3,67.385 v2(55.3,63.65)
T6: J3.21 R36.1 U8.6 | length 21.1
  Top Layer w0.3: J3.21@51.695,75.215 51.695,72.13 58.3,65.525 58.3,64.775 ; U8.6@54.5,64.775 58.3,64.775 ; R36.1@58.3,60.699 58.3,64.775
TXD: R5.2 U1.16 | length 7.9
  Top Layer w0.381: U1.16@70.925,23.7 77.479,23.7 78.029,23.15 R5.2@78.6,23.15
VBUS: C85.1 D3.1 J2.1 U10.4 | length 22.3
  Top Layer w0.381: U10.4@50.025,6.25 64.45,6.25 65.65,5.05 J2.1@65.65,4.7 J2.1@65.65,4.075
  Top Layer w0.5: D3.1@48.225,2.85 48.241,2.834 C85.1@50.025,2.834 U10.4@50.025,6.25
VIN: C26.1 K1.2 U2.3 | length 7.8
  Bottom Layer w0.6: K1.2@3.6,27.275 5.5,29.175 U2.3@8.6,29.175 8.6,31.126 C26.1@8.625,31.151
VREFP_1: "pad.4.5 V"@9.275,46.075 C19.1 C22.1 M1.24 | length 17.8
  Top Layer w0.3: 9.275,46.075 9.3,46.1 v2(10.35,46.1) M1.24@14,46.1
  Bottom Layer w0.3: C22.1@6.924,56.575 C19.1@6.924,55.075 8.975,55.075 10.35,53.7 v2(10.35,46.1)
VREFP_2: C83.1 C84.1 M2.24 pad.4.5V@29.475,46.075 | length 9.7
  Top Layer w0.3: pad.4.5V@29.475,46.075 30.375,46.075 v2(30.4,46.1) M2.24@31.975,46.1
  Bottom Layer w0.3: v2(30.4,46.1) 33.975,49.675 C84.1@34.626,49.675 34.626,51.124 C83.1@34.625,51.125
VREFP_3: "pad.4.5 V"@48.3,45.775 C63.1 C65.1 M3.24 | length 9.8
  Top Layer w0.3: 48.3,45.775 48.625,46.1 v2(49.575,46.1) M3.24@51.275,46.1
  Bottom Layer w0.3: v2(49.575,46.1) 53.25,49.775 C65.1@53.276,49.775 C63.1@53.276,51.275
VREFP_4: C64.1 C66.1 M4.24 pad.4.5V@67.125,45.4 | length 10.3
  Top Layer w0.3: pad.4.5V@67.225,45.4 pad.4.5V@67.125,45.4 67.852,46.127 v2(67.928,46.127) ; v2@67.925,46.1 M4.24@69.775,46.1
  Bottom Layer w0.3: v2(67.928,46.127) 67.928,46.728 71.125,49.925 C66.1@71.926,49.925 C64.1@71.926,51.275
XI/SCS_: K4.1 U1.9 | length 9.5
  Top Layer w0.5: K4.1@55.475,18.05 58.525,21.1 U1.9@63.675,21.1
pads on no net: J2. J2.0 J3.0 J3.11 J3.12 K1.1 K2.4 M1.1 M1.2 M1.3 M1.4 M1.5 M1.7 M1.9 M1.11 M1.13 M1.15 M1.27 M1.29 M2.1 M2.2 M2.3 M2.4 M2.5 M2.7 M2.9 M2.11 M2.13 M2.15 M2.27 M2.29 M2.47 M3.1 M3.2 M3.3 M3.4 M3.5 M3.7 M3.9 M3.11 M3.13 M3.15 M3.27 M3.29 M3.47 M4.1 M4.2 M4.3 M4.4 M4.5 M4.7 M4.9 M4.11 M4.13 M4.15 M4.27 M4.29 M4.47 U1.10 U1.12 U1.13 U3.5 U4.5 U5.5 U6.5 U7.5 U8.5 U9.5

## Polygon pours and split planes (outlines as drawn)
AGND on Top Layer "AGND" (solid, remove dead copper, pour order 2): 0,42.825 19.85,42.825 20.625,43.6 20.95,43.925 29.125,43.925 29.175,43.925 30.275,42.825 38.375,42.825 39.15,43.6 39.4,43.85 48.425,43.85 49.425,42.85 57.925,42.85 58.95,43.875 66.8,43.875 67.9,42.775 76.475,42.775 77.6,43.9 86.025,43.9 93,43.9 93,76.95 0.025,76.95 0,76.975 0,42.825
DGND on Top Layer "DGND_L01_P016" (solid, remove dead copper, pour order 16): 0,42.825 19.85,42.825 20.95,43.925 29.175,43.925 30.275,42.825 38.375,42.825 39.4,43.85 48.425,43.85 49.425,42.85 57.925,42.85 58.95,43.875 66.8,43.875 67.9,42.775 76.475,42.775 77.6,43.9 93,43.9 93,-0.525 0,-0.525 0,42.825
AGND on Bottom Layer "AGND_L02_P008" (solid, remove dead copper, pour order 8): 0,42.825 19.85,42.825 20.95,43.925 29.2,43.925 30.275,42.85 30.275,42.825 38.375,42.825 39.4,43.85 48.4,43.85 48.425,43.825 49.425,42.825 49.45,42.825 57.925,42.825 58.95,43.85 58.95,43.875 66.8,43.875 67.9,42.775 76.45,42.775 76.475,42.75 77.6,43.875 77.6,43.9 92.975,43.9 93,43.875 93,76.975 0,76.975 0,42.825
DGND on Bottom Layer "DGND_L02_P012" (solid, remove dead copper, pour order 12): 0,42.825 19.85,42.825 20.95,43.925 29.175,43.925 30.275,42.825 38.375,42.825 39.4,43.85 48.425,43.85 49.425,42.85 57.925,42.85 58.95,43.875 66.8,43.875 67.9,42.775 76.475,42.775 77.6,43.9 93,43.9 93,-0.525 0,-0.525 0,42.825

## Keep-outs
Keep-Out Layer:
  the board outline again, w0.3

## Other copper
Top Layer:
  region net AVCC: 0.844,47.919 0.844,46.671 12.121,46.671 12.125,46.675 12.125,47.9 12.15,47.925 0.85,47.925

## Silkscreen, mask and mechanical layers (free items; w line width, h text height)
Top Overlay:
  text "4.5v" at 27.4,45.85 h0.5
  text "4.5v" at 46.175,45.575 h0.5
  text "4.5v" at 7.75,45.275 h0.5
  text "4.5v" at 65,45.225 h0.5
  text "3.3v" at 83.55,33.725 h0.5
  text "5v" at 89.5,29.425 h0.5
  text "RXD" at 88.975,25.2 h0.55
  text "TXD" at 88.65,22.35 h0.55
  text "Charge" at 3.6,1.725 h0.5
  text "Power / Up" at 19.125,1.375 h0.5
Bottom Overlay:
  text "P4" at 40.225,76.075 h0.5
  text "O2" at 42.95,76.075 h0.5
  text "PZ" at 56.9,76.075 h0.5
  text "A2" at 59.6,76.075 h0.5
  text "F4" at 34.7,76.05 h0.5
  text "C4" at 37.45,76.05 h0.5
  text "CZ" at 54.075,76.05 h0.5
  text "F8" at 45.75,76.025 h0.5
  text "T4" at 48.475,76.025 h0.5
  text "T6" at 51.325,76.025 h0.5
  text "REF" at 62.225,76.025 h0.5
  text "FP2" at 29.55,74.925 h0.5
  text "FZ" at 55.5,73.425 h0.5
  text "F3" at 33.325,73.3 h0.5
  text "F7" at 44.45,73.275 h0.5
  text "C3" at 36,73.25 h0.5
  text "P3" at 38.875,73.25 h0.5
  text "T3" at 47.125,73.25 h0.5
  text "BIAS" at 63.45,73.25 h0.5
  text "O1" at 41.7,73.225 h0.5
  text "T5" at 49.8,73.2 h0.5
  text "FP1" at 28.7,72.05 h0.5

## Dimensions
3.2,76.975 to 4.125,0 on Keep-Out Layer
0,73.775 to 93,73.65 on Keep-Out Layer

## Text inside footprints (layer, text, board x,y; h text height)
J2: Top Overlay "+" at 63.937,4.952 h0.4
K1: Top Overlay "Power / UP" at 2.1,20.9 h0.55; Top Overlay "I" at 6.3,27.325 h0.55 r180; Top Overlay "Charge" at 2.125,31.95 h0.55